# Altium PCB PCB_Amplifier.PcbDoc (part 2 of 2)
Units mm, origin at the board's own origin, x right, y up, seen from the top; angles counter-clockwise.
Board outline 88.51 x 102.08 mm, 4 copper layers (Top Layer, GND, VDD, Bottom Layer); 234 components, 166 nets, 733 pads, 363 vias.
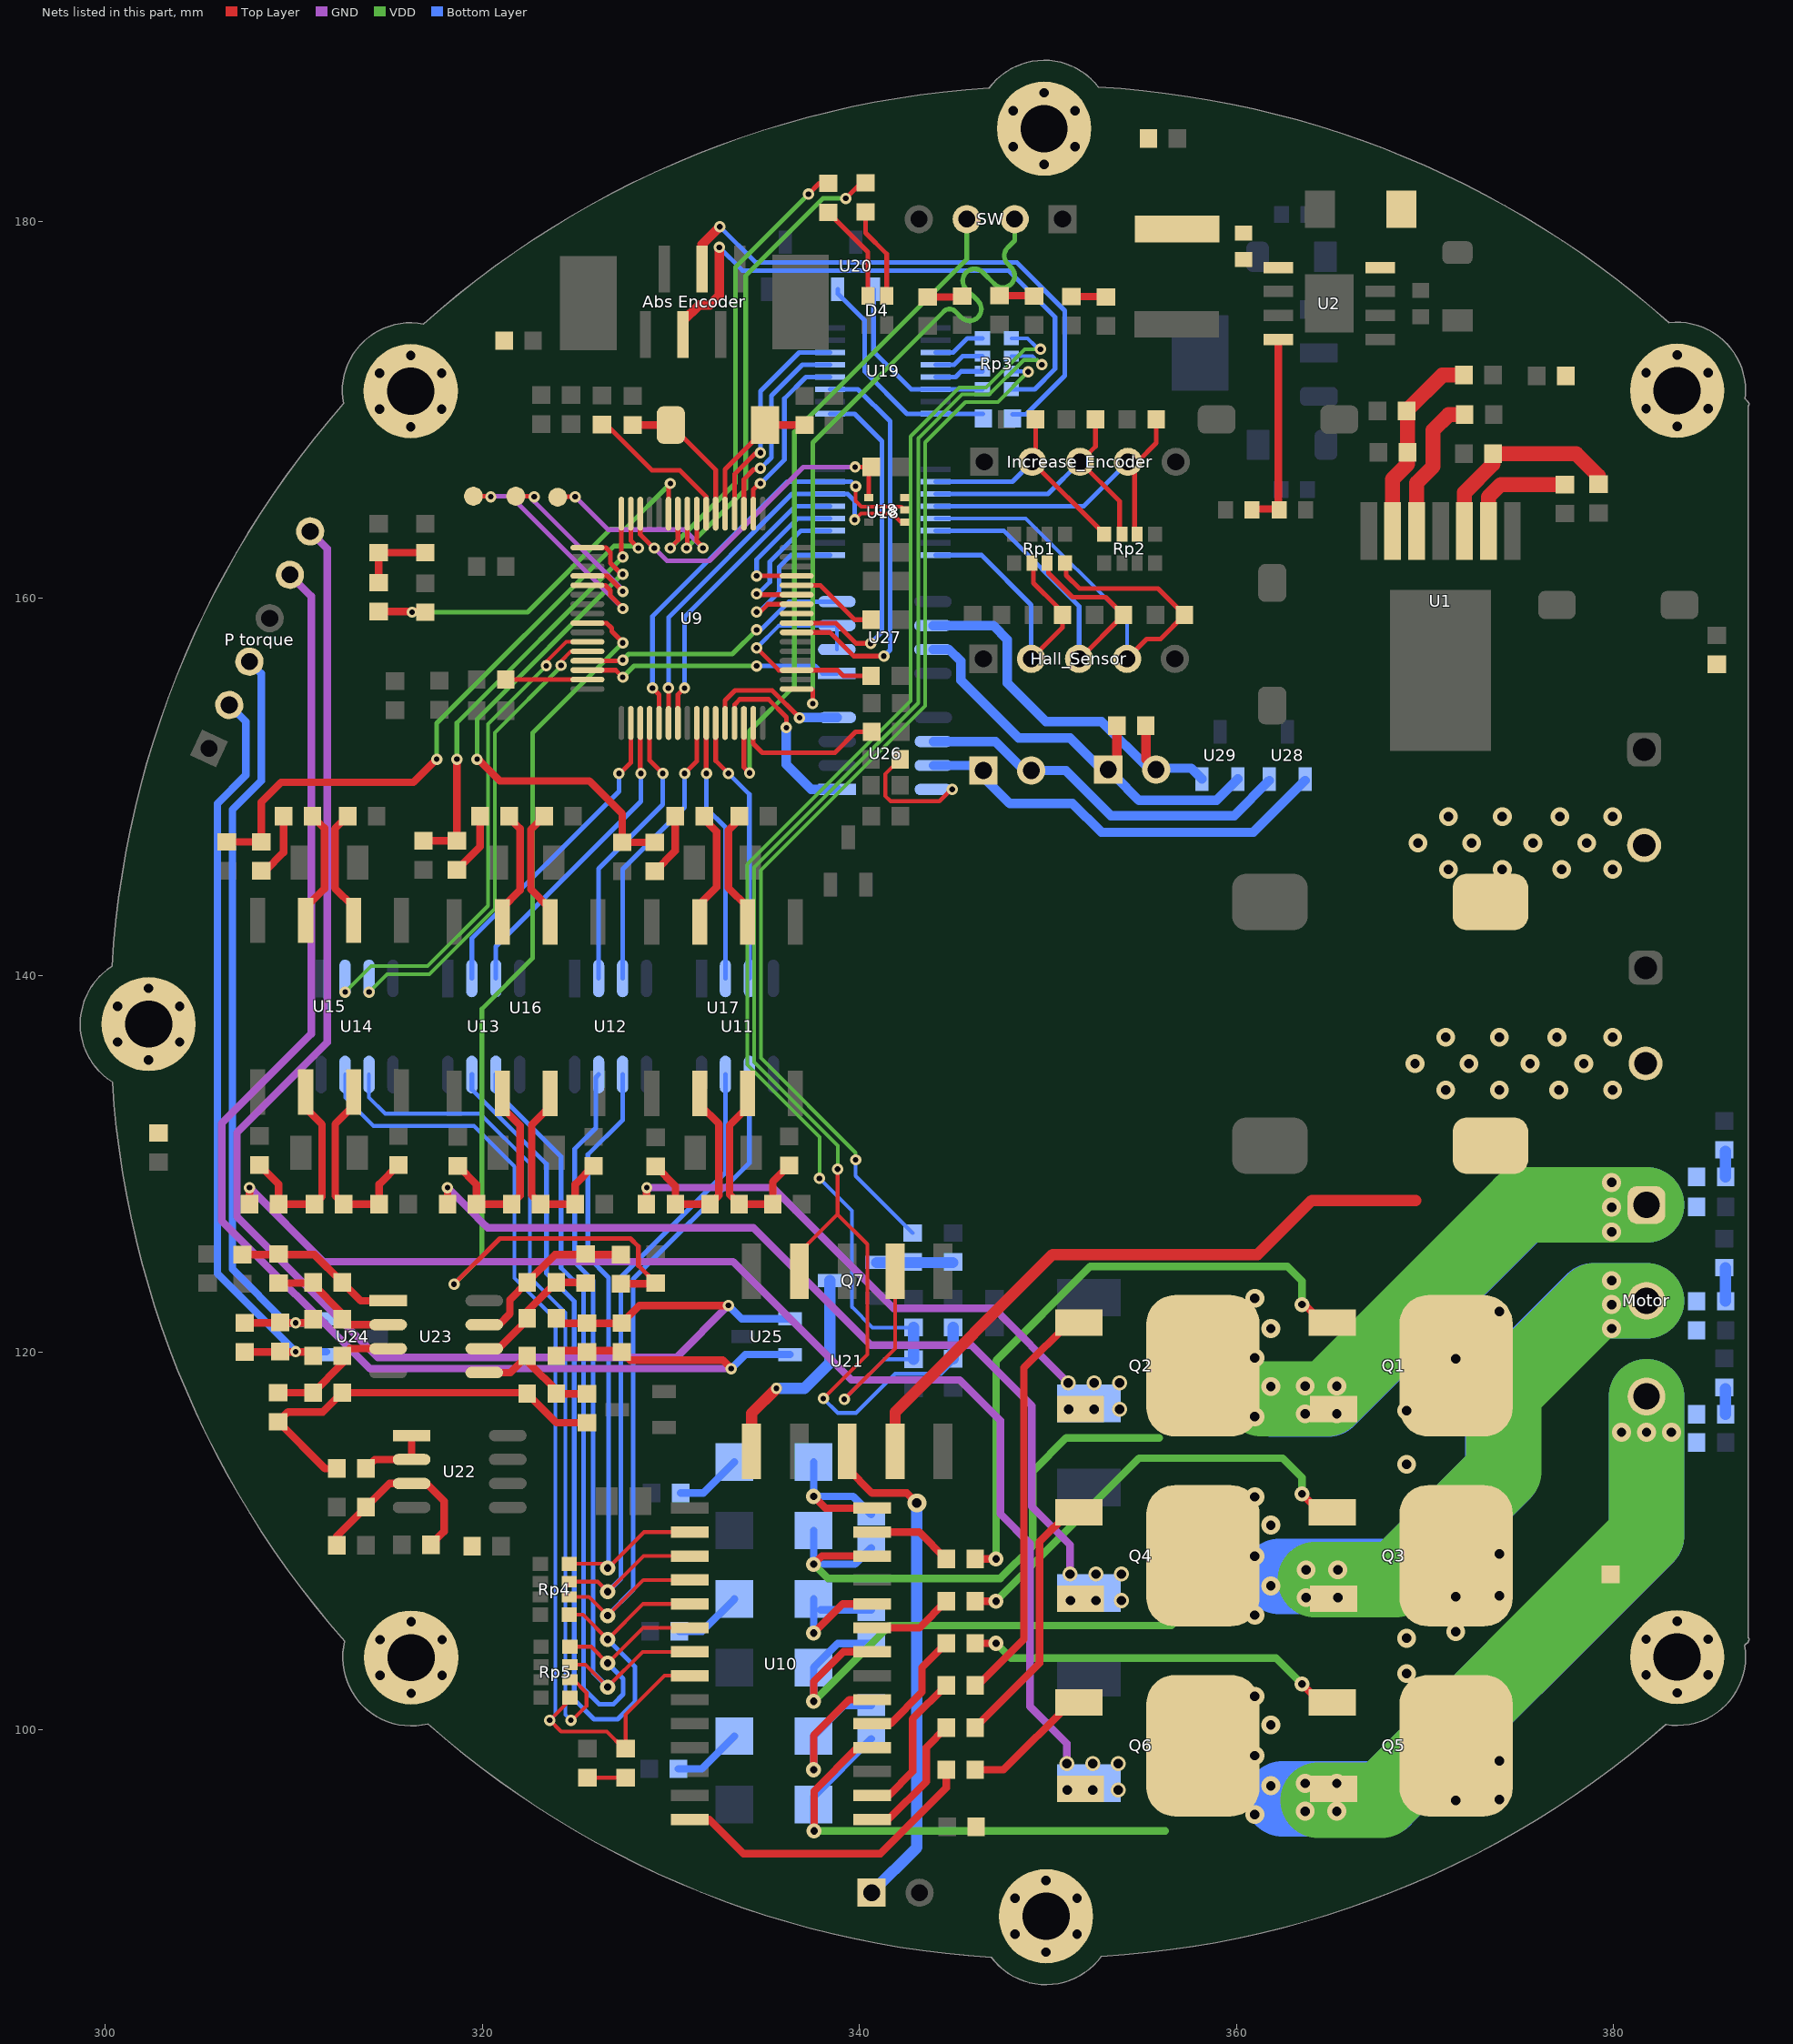
[diagram p4: the nets of this part, all layers, seen from the top]

## Via types
v1: diameter 0.6, hole 0.3, Top Layer to Bottom Layer, 150 vias
v2: diameter 1, hole 0.5, Top Layer to Bottom Layer, 134 vias
v3: diameter 0.8, hole 0.5, Top Layer to Bottom Layer, 60 vias
v4: diameter 0.8, hole 0.4, Top Layer to Bottom Layer, 19 vias

## Nets (pads, with @x,y where several pads share a name; then routed paths per layer and width w, separated by ;. In a path a pad name is that pad's centre, name@x,y a point inside that pad or via, vN(x,y) a via of type N, cw(c..) or ccw(c..) an arc to the next point about the centre after c; other vN are vias at no path point) (continued)
ADC12_IN15: C88.2 R99.2 U9.25 | length 55
  Top Layer w0.25: v1(318.5,123.625) 320.925,126.05 327.853,126.05 328.275,125.628 328.275,124.615 C88.2@329.2,123.69 ; U9.25@325.575,158.7 326.593,158.7 326.865,158.428 326.865,158.26 v1@327.325,157.8
  Top Layer w0.4: R99.2@327.35,123.655 C88.2@329.165,123.655
  VDD w0.25: v1(318.5,123.625) 319.975,125.1 319.975,138.225 322.675,140.925 322.675,152.871 v1(327.45,157.646)
ADC123_IN1: C35.2 R38.2 U9.15 | length 32.8
  Top Layer w0.25: U9.15@327.875,164.5 327.875,163.075 v1(328.275,162.675)
  Top Layer w0.4: C35.2@306.45,147.095 R38.2@308.275,147.095 308.275,149.2 309.325,150.25 316.35,150.25 v1@317.638,151.537
  VDD w0.25: v1(317.581,151.475) 317.581,153.381 326.985,162.785 328.165,162.785 v1(328.275,162.675)
ADC123_IN2: C45.2 R48.2 U9.16 | length 22.8
  Top Layer w0.25: U9.16@327.375,164.5 327.375,162.3 v1@327.475,162.2
  Top Layer w0.4: C45.2@316.875,147.145 R48.2@318.65,147.145 v1(318.65,151.475)
  VDD w0.25: v1(318.65,151.475) 318.65,153.4 v1(327.45,162.2)
ADC123_IN3: C55.2 R58.2 U9.17 | length 27.9
  Top Layer w0.25: U9.17@325.575,162.7 326.55,162.7 326.8,162.45 326.8,161.875 v1@327.45,161.225
  Top Layer w0.4: v1@319.775,151.475 320.925,150.325 325.675,150.325 327.425,148.575 C55.2@327.425,147.07 R58.2@329.15,147.07
  VDD w0.25: v1(319.719,151.475) 319.719,153.588 327.356,161.225 v1@327.45,161.225
  other v1: 327.45,161.289
ADC123_IN13: C79.2 R103.1 U9.11 | length 20.6
  Top Layer w0.25: U9.11@329.875,164.5 v1@329.875,166.1
  Top Layer w0.4: R103.1@314.5,159.305 C79.2@316.94,159.305
  VDD w0.25: v1(316.275,159.275) 322.4,159.275 326.8,163.675 327.55,163.675 v1(329.975,166.1)
BRAKE_INPUT_SIG: R71.1 Rp3.7 | length 56.9
  VDD w0.2: v1(339.8,130.225) 339.8,130.6 334.775,135.625 334.775,145.6 343.485,154.31 343.485,168.285 345.625,170.425 347.35,170.425 v1(348.95,172.025)
  Bottom Layer w0.2: v1(339.8,130.225) 339.8,129.37 R71.1@342.825,126.345 ; Rp3.7@348.07,172.05 v1@348.925,172.05 ; v1@348.95,172.05 v1@349.075,172.05
CLOSE_SIG: C151.2 R72.1 Rp3.6 U21.9 | length 81.7
  Top Layer w0.2: U21.9@336.815,124.325 336.815,125.315 338.825,127.325 ; v1(338.088,117.563) 340.425,119.9 340.425,125.75 338.838,127.337 ; 338.842,127.337 v1(338.842,129.733)
  VDD w0.2: v1@338.85,129.733 338.85,130.975 334.415,135.41 334.415,145.749 343.125,154.459 343.125,168.5 345.45,170.825 346.9,170.825 348.725,172.65 349.425,172.65 v1(349.675,172.4)
  Bottom Layer w0.2: v1(338.088,117.563) 338.85,116.8 339.825,116.8 341.9,118.875 344.33,118.875 C151.2@344.975,119.52 ; Rp3.6@348.07,172.85 349.175,172.85 v1@349.45,172.575
  Bottom Layer w0.6: C151.2@344.975,119.67 R72.1@344.975,121.33
D_GND: U8.3
DAC_OUT1: tp1.1 U9.20 | length 10.2
  Top Layer w0.25: tp1.1@321.912,165.425 v1@322.75,165.425 ; U9.20@325.575,161.2 326.625,161.2 327.35,160.475 v1@327.35,160.3
  GND w0.25: v1@322.75,165.425 322.75,165.15 327.45,160.45 v1@327.45,160.225
  other v1: 327.45,160.379 322.75,165.4
DAC_OUT2: tp2.1 U9.21 | length 13
  Top Layer w0.25: tp2.1@319.5,165.425 v1@320.45,165.425 ; U9.21@325.575,160.7 326.525,160.7 326.8,160.425 326.8,160.15 v1@327.45,159.5
  GND w0.25: v1@320.45,165.425 321.5,165.425 327.341,159.584 v1@327.341,159.359
  other v1: 327.45,159.468 320.45,165.4
DRIVE_H1: R20.1 U10.27 | length 4.5
  Top Layer w0.4: U10.27@340.675,110.48 343.175,110.48 R20.1@344.605,109.05
DRIVE_H2: R22.1 U10.23 | length 4.5
  Top Layer w0.4: U10.23@340.675,105.4 343.19,105.4 R22.1@344.605,106.815
DRIVE_H3: R24.1 U10.19 | length 6.5
  Top Layer w0.4: U10.19@340.675,100.32 341.645,100.32 343.325,102 343.325,103.3 R24.1@344.605,104.58
DRIVE_L1: R21.1 U10.16 | length 8
  Top Layer w0.4: U10.16@340.675,96.51 341.56,96.51 342.825,97.775 342.825,100.565 R21.1@344.605,102.345
DRIVE_L2: R23.1 U10.15 | length 7
  Top Layer w0.4: U10.15@340.675,95.24 341.54,95.24 343.55,97.25 343.55,99.055 R23.1@344.605,100.11
DRIVE_L3: R25.1 U10.14 | length 16.8
  Top Layer w0.4: U10.14@331,95.24 332.035,95.24 333.85,93.425 341.125,93.425 344.605,96.905 R25.1@344.605,97.875
EN: Rp5.2 U14.6 | length 44.6
  Top Layer w0.2: Rp5.2@324.645,102.65 324.838,102.65 325.525,101.963 325.525,101.25 324.775,100.5 v1(324.7,100.5)
  Bottom Layer w0.2: U14.6@313.99,134.75 313.99,133.535 314.85,132.675 319.875,132.675 322.525,130.025 322.525,124 324.4,122.125 324.4,100.8 v1(324.7,100.5)
FAULT: R60.2 Rp5.1 U10.8 U14.7 | length 54.1
  Top Layer w0.2: Rp5.1@324.645,101.57 v1(323.575,100.5) 324.175,99.9 326.6,99.9 327.505,98.995 R60.2@327.6,98.995 ; R60.2@327.6,99.27 327.6,100.8 329.66,102.86 U10.8@331,102.86
  Bottom Layer w0.2: U14.7@312.72,134.75 312.72,133.53 314.225,132.025 319.55,132.025 321.7,129.875 321.7,123.95 323.885,121.765 323.885,119.457 323.875,119.447 323.875,100.8 v1(323.575,100.5)
HIN1: Rp4.4 U10.2 U12.6 | length 34.6
  Top Layer w0.2: Rp4.4@324.62,108.8 326.425,108.8 v4(326.65,108.575) 326.675,108.575 328.58,110.48 U10.2@331,110.48
  Bottom Layer w0.25: v4@326.7,108.625 326.7,123.975 325.6,125.075 325.6,130.5 327.44,132.34 U12.6@327.44,134.75
HIN2: Rp4.3 U10.3 U11.7 | length 37.4
  Top Layer w0.2: Rp4.3@324.62,107.85 326.112,107.85 v4(326.65,107.313) 328.547,109.21 U10.3@331,109.21
  Bottom Layer w0.25: v4(326.65,107.313) 327.35,108.013 327.35,124 332.895,129.545 U11.7@332.895,134.75
HIN3: Rp4.2 U10.4 U11.6 | length 39.4
  Top Layer w0.2: Rp4.2@324.62,107.05 325.65,107.05 v4(326.65,106.05) 328.54,107.94 U10.4@331,107.94
  Bottom Layer w0.25: v4@326.638,106.063 328,107.425 328,123.9 334.165,130.065 U11.6@334.165,134.75
LIN1: Rp4.1 U10.5 U13.7 | length 51.1
  Top Layer w0.2: Rp4.1@324.62,106.1 325.337,106.1 v4(326.65,104.788) 328.532,106.67 U10.5@331,106.67
  Bottom Layer w0.25: U13.7@319.445,134.75 319.445,133.955 323.4,130 323.4,124.2 324.875,122.725 324.875,101.6 325.925,100.55 327.175,100.55 328.1,101.475 328.1,103.338 v4(326.65,104.788)
LIN2: Rp5.4 U10.6 U13.6 | length 46.7
  Top Layer w0.2: Rp5.4@324.645,104.4 325.775,104.4 v4(326.65,103.525) 328.525,105.4 U10.6@331,105.4
  Bottom Layer w0.25: U13.6@320.715,134.75 320.715,133.86 324.175,130.4 324.175,124.5 325.375,123.3 325.375,102.175 326.2,101.35 326.95,101.35 327.475,101.875 327.475,102.7 v4(326.65,103.525)
LIN3: Rp5.3 U10.7 U12.7 | length 41.4
  Top Layer w0.2: Rp5.3@324.645,103.45 325.462,103.45 v4(326.65,102.263) ; v4@326.65,102.275 328.505,104.13 U10.7@331,104.13
  Bottom Layer w0.25: U12.7@326.17,134.75 326.015,134.595 326.015,131.915 324.9,130.8 324.9,124.8 325.875,123.825 325.875,103.038 v4(326.65,102.263)
NetBrake_1: Brake.1 U21.3 | length 27
  Top Layer w0.4: U21.3@339.355,114.765 339.355,113.87 340.675,112.55 342.525,112.55 v2(343.05,112.025)
  Bottom Layer w0.6: Brake.1@340.65,91.35 343.05,93.75 v2(343.05,112.025)
NetC1_2: C1.2 U9.47 | length 8
  Top Layer w0.25: U9.47@334.375,153.4 334.375,152.3 334.85,151.825 338.7,151.825 339.8,152.925 C1.2@340.655,152.925
NetC2_2: C2.2 U9.31 | length 4.3
  Top Layer w0.25: C2.2@321.245,155.7 U9.31@325.575,155.7
NetC3_1: C3.1 U9.7 | length 8
  Top Layer w0.25: C3.1@326.35,169.23 326.57,169.23 329,166.8 330.475,166.8 331.875,165.4 U9.7@331.875,164.5
NetC4_1: C4.1 U9.6 Y1.1 | length 7.5
  Top Layer w0.25: Y1.1@330,169.2 332.375,166.825 U9.6@332.375,164.5
  Top Layer w0.4: C4.1@328.18,169.2 Y1.1@330,169.2
NetC5_1: C5.1 U9.5 Y1.2 | length 7.3
  Top Layer w0.2: C5.1@336.895,169.2 C5.1@336.9,169.205
  Top Layer w0.25: U9.5@332.875,164.5 332.875,166.85 Y1.2@335,168.975
  Top Layer w0.4: Y1.2@335,169.2 C5.1@336.895,169.2
NetC21_1: C21.1 D5.2 U10.28 | length 8.6
  Top Layer w0.4: v4(337.575,112.375) 338.2,111.75 U10.28@340.675,111.75
  Bottom Layer w0.4: D5.2@337.575,114.2 v4(337.575,112.375) 339.665,112.375 C21.1@340.625,111.415
NetC22_1: C22.1 D7.2 U10.24 | length 8.2
  Top Layer w0.4: v4(337.575,105.125) 339.12,106.67 U10.24@340.675,106.67
  Bottom Layer w0.4: v4(337.575,105.125) D7.2@337.575,106.93 ; D7.2@337.948,106.353 C22.1@340.625,106.353
NetC23_1: C23.1 D9.2 U10.20 | length 11.2
  Top Layer w0.4: v4(337.575,97.875) 337.575,99.7 339.465,101.59 U10.20@340.675,101.59
  Bottom Layer w0.4: v4(337.575,97.875) D9.2@337.575,99.66 339.205,101.29 C23.1@340.625,101.29
NetC31_1: C31.1 C32.2 R35.2 U15.3 | length 10.2
  Top Layer w0.4: U15.3@313.17,133.095 312.2,132.125 312.2,128.32 C31.1@312.645,127.875 R35.2@314.53,127.875 314.53,128.935 C32.2@315.55,129.955
NetC31_2: C31.2 C33.2 R34.2 U15.2 | length 10
  Top Layer w0.4: C33.2@308.175,129.955 309.195,128.935 R34.2@309.195,127.875 C31.2@311.105,127.875 311.5,128.27 311.5,132.1 U15.2@310.63,132.97
NetC41_1: C41.1 C42.2 R45.2 U16.3 | length 10
  Top Layer w0.4: U16.3@323.595,133.045 322.625,132.075 322.625,128.345 C41.1@323.095,127.875 R45.2@324.93,127.875 324.93,128.935 C42.2@325.9,129.905
NetC41_2: C41.2 C43.2 R44.2 U16.2 | length 10
  Top Layer w0.4: C43.2@318.7,129.905 319.695,128.91 R44.2@319.695,127.875 C41.2@321.555,127.875 322,128.32 322,132.05 U16.2@321.055,132.995
NetC51_1: C51.1 C52.2 R55.2 U17.3 | length 10
  Top Layer w0.4: U17.3@334.07,133.02 333.11,132.06 333.11,128.385 C51.1@333.62,127.875 R55.2@335.405,127.875 335.405,129.06 C52.2@336.275,129.93
NetC51_2: C51.2 C53.2 R54.2 U17.2 | length 10.2
  Top Layer w0.4: C53.2@329.2,129.88 330.245,128.835 R54.2@330.245,127.875 C51.2@332.08,127.875 332.55,128.345 332.55,132.125 U17.2@331.53,133.145
NetC62_2: C62.2 Hall_Sensor.2 Rp1.2 U18.16 | length 14.9
  Top Layer w0.25: Hall_Sensor.2@349.115,156.8 350.778,158.463 C62.2@350.778,159.125 ; Rp1.2@349.225,161.88 349.225,160.825 C62.2@350.478,159.572
  Bottom Layer w0.25: U18.16@344.05,162.3 346.475,162.3 349.115,159.66 Hall_Sensor.2@349.115,156.8
NetC63_2: C63.2 Hall_Sensor.3 Rp1.3 U18.14 | length 20.8
  Top Layer w0.25: Rp1.3@350.025,161.88 350.025,161.35 351.3,160.075 353.062,160.075 C63.2@354.012,159.125 351.687,156.8 Hall_Sensor.3@351.655,156.8
  Bottom Layer w0.25: U18.14@344.05,163.6 347.65,163.6 351.655,159.595 Hall_Sensor.3@351.655,156.8
NetC64_2: C64.2 Hall_Sensor.4 Rp1.4 U18.13 | length 26.3
  Top Layer w0.25: Rp1.4@350.975,161.88 350.975,161.225 351.675,160.525 355.845,160.525 C64.2@357.245,159.125 355.97,157.85 355.245,157.85 Hall_Sensor.4@354.195,156.8
  Bottom Layer w0.2: U18.13@344.05,164.25 348.825,164.25 354.195,158.88 Hall_Sensor.4@354.195,156.8
NetC65_2: C65.2 Increase_Encoder.2 Rp2.4 U18.10 | length 13
  Top Layer w0.25: Increase_Encoder.2@349.165,167.25 352.85,163.565 Rp2.4@352.85,163.42 ; Increase_Encoder.2@349.345,167.43 C65.2@349.345,169.5
  Bottom Layer w0.25: U18.10@344.05,166.2 348.115,166.2 Increase_Encoder.2@349.165,167.25
NetC66_2: C66.2 Increase_Encoder.3 Rp2.3 U18.11 | length 15.6
  Top Layer w0.25: C66.2@352.52,169.5 352.52,168.065 Increase_Encoder.3@351.705,167.25 353.8,165.155 Rp2.3@353.8,163.42
  Bottom Layer w0.25: U18.11@344.05,165.55 350.005,165.55 Increase_Encoder.3@351.705,167.25
NetC67_2: C67.2 Increase_Encoder.4 Rp2.2 U18.12 | length 17.3
  Top Layer w0.25: Rp2.2@354.6,163.42 Increase_Encoder.4@354.6,166.895 ; Increase_Encoder.4@354.75,167.25 355.745,168.245 C67.2@355.745,169.5
  Bottom Layer w0.25: U18.12@344.05,164.9 351.895,164.9 Increase_Encoder.4@354.245,167.25
NetC72_1: C72.1 L1.2 T1.2 U2.8
NetC72_2: C72.2 U2.1
NetC80_2: C80.2 R85.1 R86.2 U22.3 | length 10.3
  Top Layer w0.4: R86.2@312.28,109.775 312.28,110.26 R85.1@313.82,111.8 315.08,113.06 U22.3@316.25,113.06 317.04,113.06 317.975,112.125 317.975,110.505 C80.2@317.27,109.8
NetC82_2: C82.2 R90.2 R91.2 U23.3 | length 6.1
  Top Layer w0.4: C82.2@309.175,117.87 311.025,117.87 R91.2@311.03,117.875 R90.2@312.57,119.415 ; R90.2@312.955,120.21 U23.3@315,120.21
NetC83_1: C83.1 R89.2 R92.1 U23.2 | length 6.2
  Top Layer w0.4: C83.1@309.2,123.69 310.995,123.69 310.995,123.655 R89.2@312.57,122.08 ; R89.2@312.865,121.48 U23.2@315,121.48
NetC83_2: C83.2 R92.2 R93.1 U23.1 | length 8.7
  Top Layer w0.4: R93.1@307.275,125.195 311.1,125.195 R92.2@312.57,123.725 313.545,122.75 U23.1@315,122.75
NetC86_1: C86.1 R95.1 R96.1 U23.5 | length 6.8
  Top Layer w0.4: U23.5@320.1,118.94 321.495,118.94 R95.1@322.38,119.825 322.38,119.545 324.105,117.82 C86.1@325.55,117.82
NetC87_1: C87.1 R94.1 R97.1 U23.6 | length 7.1
  Top Layer w0.4: U23.6@320.1,120.21 320.86,120.21 322.38,121.73 R94.1@322.38,121.825 322.38,122.185 R97.1@323.92,123.725 325.44,123.725 C87.1@325.475,123.69
NetC87_2: C87.2 R97.2 R99.1 U23.7 | length 9.2
  Top Layer w0.4: U23.7@320.1,121.48 320.88,121.48 321.46,122.06 321.46,122.805 R97.2@322.38,123.725 323.85,125.195 R99.1@327.35,125.195
NetC91_2: C91.2 MH1.1
  other v3: 383.375,169.125 381.73,170.075 385.02,170.075 381.73,171.975 385.02,171.975 383.375,172.925
NetC92_2: C92.2 MH2.1
  other v3: 349.8,183.025 348.155,183.975 351.445,183.975 348.155,185.875 351.445,185.875 349.8,186.825
NetC93_2: C93.2 MH3.1
  other v3: 316.2,169.1 314.555,170.05 317.845,170.05 314.555,171.95 317.845,171.95 316.2,172.9
NetC94_2: C94.2 MH4.1
  other v3: 302.3,135.525 300.655,136.475 303.945,136.475 300.655,138.375 303.945,138.375 302.3,139.325
NetC95_2: C95.2 MH5.1
  other v3: 316.225,101.925 314.58,102.875 317.87,102.875 314.58,104.775 317.87,104.775 316.225,105.725
NetC96_2: C96.2 MH6.1
  other v3: 349.9,88.2 348.255,89.15 351.545,89.15 348.255,91.05 351.545,91.05 349.9,92
NetC97_2: C97.2 MH7.1
  other v3: 383.375,101.95 381.73,102.9 385.02,102.9 381.73,104.8 385.02,104.8 383.375,105.75
NetCff_1: Cff.1 Rfbb.2 Rfbt.1 U1.6 | length 10.5
  Top Layer w0.8: U1.6@368.285,163.575 368.285,166.335 369.07,167.12 Rfbt.1@369.07,167.75 369.07,170 370.92,171.85 Rfbb.2@372.07,171.85
NetCo1_1: Co1.1 R31.2 | length 1.4
  Bottom Layer w0.6: Co1.1@385.945,129.325 R31.2@385.945,130.685
NetCo3_1: Co3.1 R32.2 | length 1.8
  Bottom Layer w0.6: Co3.1@385.945,122.725 R32.2@385.945,124.5
NetCo5_1: Co5.1 R33.2 | length 1.3
  Bottom Layer w0.6: Co5.1@385.945,116.725 R33.2@385.945,118.075
NetCss_2: Css.2 U1.5 | length 7.7
  Top Layer w0.8: U1.5@369.555,163.575 369.555,166.13 370.425,167 370.425,168.925 371.25,169.75 Css.2@372.105,169.75
NetD1_A: D1.A R77.1 | length 1.8
  Top Layer w0.4: D1.A@351.247,176.02 R77.1@353.05,176.02
NetD2_A: D2.A R78.1 | length 1.8
  Top Layer w0.4: D2.A@347.436,176.07 R78.1@349.239,176.07
NetD3_A: D3.A R79.1 | length 1.8
  Top Layer w0.4: D3.A@343.625,175.995 R79.1@345.403,175.995
NetD4_1: D4.1 R100.1 | length 4.9
  Top Layer w0.25: R100.1@340.325,180.505 340.325,179.4 341.45,178.275 D4.1@341.45,176.05
NetD4_2: D4.2 R104.1 | length 5.3
  Top Layer w0.25: R104.1@338.35,180.48 340.45,178.38 D4.2@340.45,176.05
NetD5_1: D5.1 R12.2 | length 3.5
  Bottom Layer w0.4: R12.2@330.52,112.55 331.725,112.55 D5.1@333.375,114.2
NetD7_1: D7.1 R13.2 | length 3.6
  Bottom Layer w0.4: R13.2@330.445,105.225 331.67,105.225 D7.1@333.375,106.93
NetD9_1: D9.1 R14.2 | length 3.7
  Bottom Layer w0.4: R14.2@330.395,97.925 331.64,97.925 D9.1@333.375,99.66
NetD11_K: D11.K R60.1 | length 2
  Top Layer w0.2: D11.K@325.575,97.455 R60.1@327.6,97.455
NetP485_1: P485.1 R4.1 U27.7 U29.1 | length 22.4
  Top Layer w0.5: P485.1@353.655,151.38 R4.1@353.655,153.25
  Bottom Layer w0.5: U27.7@343.9,157.295 344.755,157.295 345.375,156.675 345.375,155.675 348.45,152.6 351.175,152.6 353.2,150.575 353.55,150.575 354.825,149.3 358.95,149.3 U29.1@360.075,150.425
NetP485_2: P485.2 R4.2 U27.6 U29.2 | length 21.5
  Top Layer w0.5: R4.2@355.195,153.25 355.195,151.47 P485.2@355.74,150.925
  Bottom Layer w0.5: U27.6@343.9,158.565 347.11,158.565 347.85,157.825 347.85,155.525 349.9,153.475 352.84,153.475 355.315,151 357.6,151 U29.2@358.175,150.425
NetPcan_1: Pcan.1 U26.7 U28.1 | length 22.3
  Bottom Layer w0.5: U26.7@343.925,151.145 345.955,151.145 346.575,150.525 347.975,149.125 351.305,149.125 352.83,147.6 360.9,147.6 U28.1@363.65,150.35
NetPcan_2: Pcan.2 U26.6 U28.2 | length 20.2
  Bottom Layer w0.5: U26.6@343.925,152.415 347.225,152.415 348.765,150.875 350.95,150.875 353.35,148.475 359.875,148.475 U28.2@361.75,150.35
NetQ1_1: Q1.1 R20.2 | length 33.4
  Top Layer w0.4: R20.2@346.145,109.05 v4(347.25,109.05) ; v4@363.6,122.55 364.55,121.6 Q1.1@365.075,121.6
  VDD w0.4: v4(347.25,109.05) 347.25,119.575 352.25,124.575 362.7,124.575 363.475,123.8 v4(363.475,122.55)
NetQ2_1: Q2.1 R21.2 | length 21.4
  Top Layer w0.4: R21.2@346.145,102.345 346.27,102.345 348.725,104.8 348.725,119.2 Q2.1@351.125,121.6
NetQ3_1: Q3.1 R22.2 | length 23.8
  Top Layer w0.4: R22.2@346.145,106.815 v4(347.25,106.815) ; v4@363.5,112.5 364.475,111.525 Q3.1@365.075,111.525
  VDD w0.4: v4(347.25,106.815) 354.835,114.4 362.45,114.4 363.475,113.375 v4(363.475,112.5)
NetQ4_1: Q4.1 R23.2 | length 13.5
  Top Layer w0.4: R23.2@346.145,100.11 349.55,103.515 349.55,109.95 Q4.1@351.125,111.525
NetQ5_1: Q5.1 R24.2 | length 20.3
  Top Layer w0.4: R24.2@346.145,104.58 v4(347.25,104.58) v4@347.305,104.58 ; v4(363.475,102.425) 364.45,101.45 Q5.1@365.075,101.45
  VDD w0.4: v4(347.25,104.58) 348.03,103.8 362.1,103.8 v4(363.475,102.425)
NetQ6_1: Q6.1 R25.2 | length 6.6
  Top Layer w0.4: R25.2@346.145,97.875 347.65,97.875 Q6.1@351.225,101.45
NetQ7_1: Q7.1 R70.1 R71.2 | length 4
  Bottom Layer w0.6: Q7.1@340.925,124.775 R70.1@344.945,124.775
NetQ7_3: Q7.3 U21.1 | length 11.6
  Top Layer w0.6: U21.1@334.275,114.765 334.275,116.775 v1(335.6,118.1)
  Bottom Layer w0.6: v1(335.6,118.1) 337.075,118.1 338.425,119.45 Q7.3@338.425,123.825
NetR1_2: R1.2 U9.60 | length 4.8
  Top Layer w0.25: U9.60@336.675,160.7 337.925,160.7 339.75,158.875 R1.2@340.68,158.875
NetR5_1: R5.1 U26.8 | length 6.3
  Top Layer w0.2: R5.1@342.16,151.475 341.375,150.69 341.375,149.525 341.65,149.25 344.25,149.25 344.925,149.925 v1(344.925,149.875)
NetR36_1: R36.1 U15.7 | length 5.5
  Top Layer w0.4: U15.7@310.63,143.605 311.625,144.6 311.625,147.82 R36.1@310.995,148.45
NetR36_2: R36.2 R38.1 | length 3.5
  Top Layer w0.4: R38.1@308.275,145.555 308.48,145.555 309.455,146.53 R36.2@309.455,148.45
NetR37_1: R37.1 U15.6 | length 5.5
  Top Layer w0.4: R37.1@312.855,148.45 312.185,147.78 312.185,144.64 U15.6@313.17,143.655
NetR46_1: R46.1 U16.7 | length 5.5
  Top Layer w0.4: U16.7@321.055,143.58 322,144.525 322,147.8 321.42,148.38 R46.1@321.42,148.45
NetR46_2: R46.2 R48.1 | length 3.4
  Top Layer w0.4: R48.1@318.65,145.605 319.88,146.835 R46.2@319.88,148.45
NetR47_1: R47.1 U16.6 | length 5.6
  Top Layer w0.4: R47.1@323.28,148.45 322.575,147.745 322.575,144.575 U16.6@323.595,143.555
NetR56_1: R56.1 U17.7 | length 5.3
  Top Layer w0.4: U17.7@331.53,143.78 332.425,144.675 332.425,147.65 331.77,148.305 R56.1@331.77,148.45